# Altium PCB Goldstrike1_Rev01 - DLV.PcbDoc (part 1 of 3) (continued)
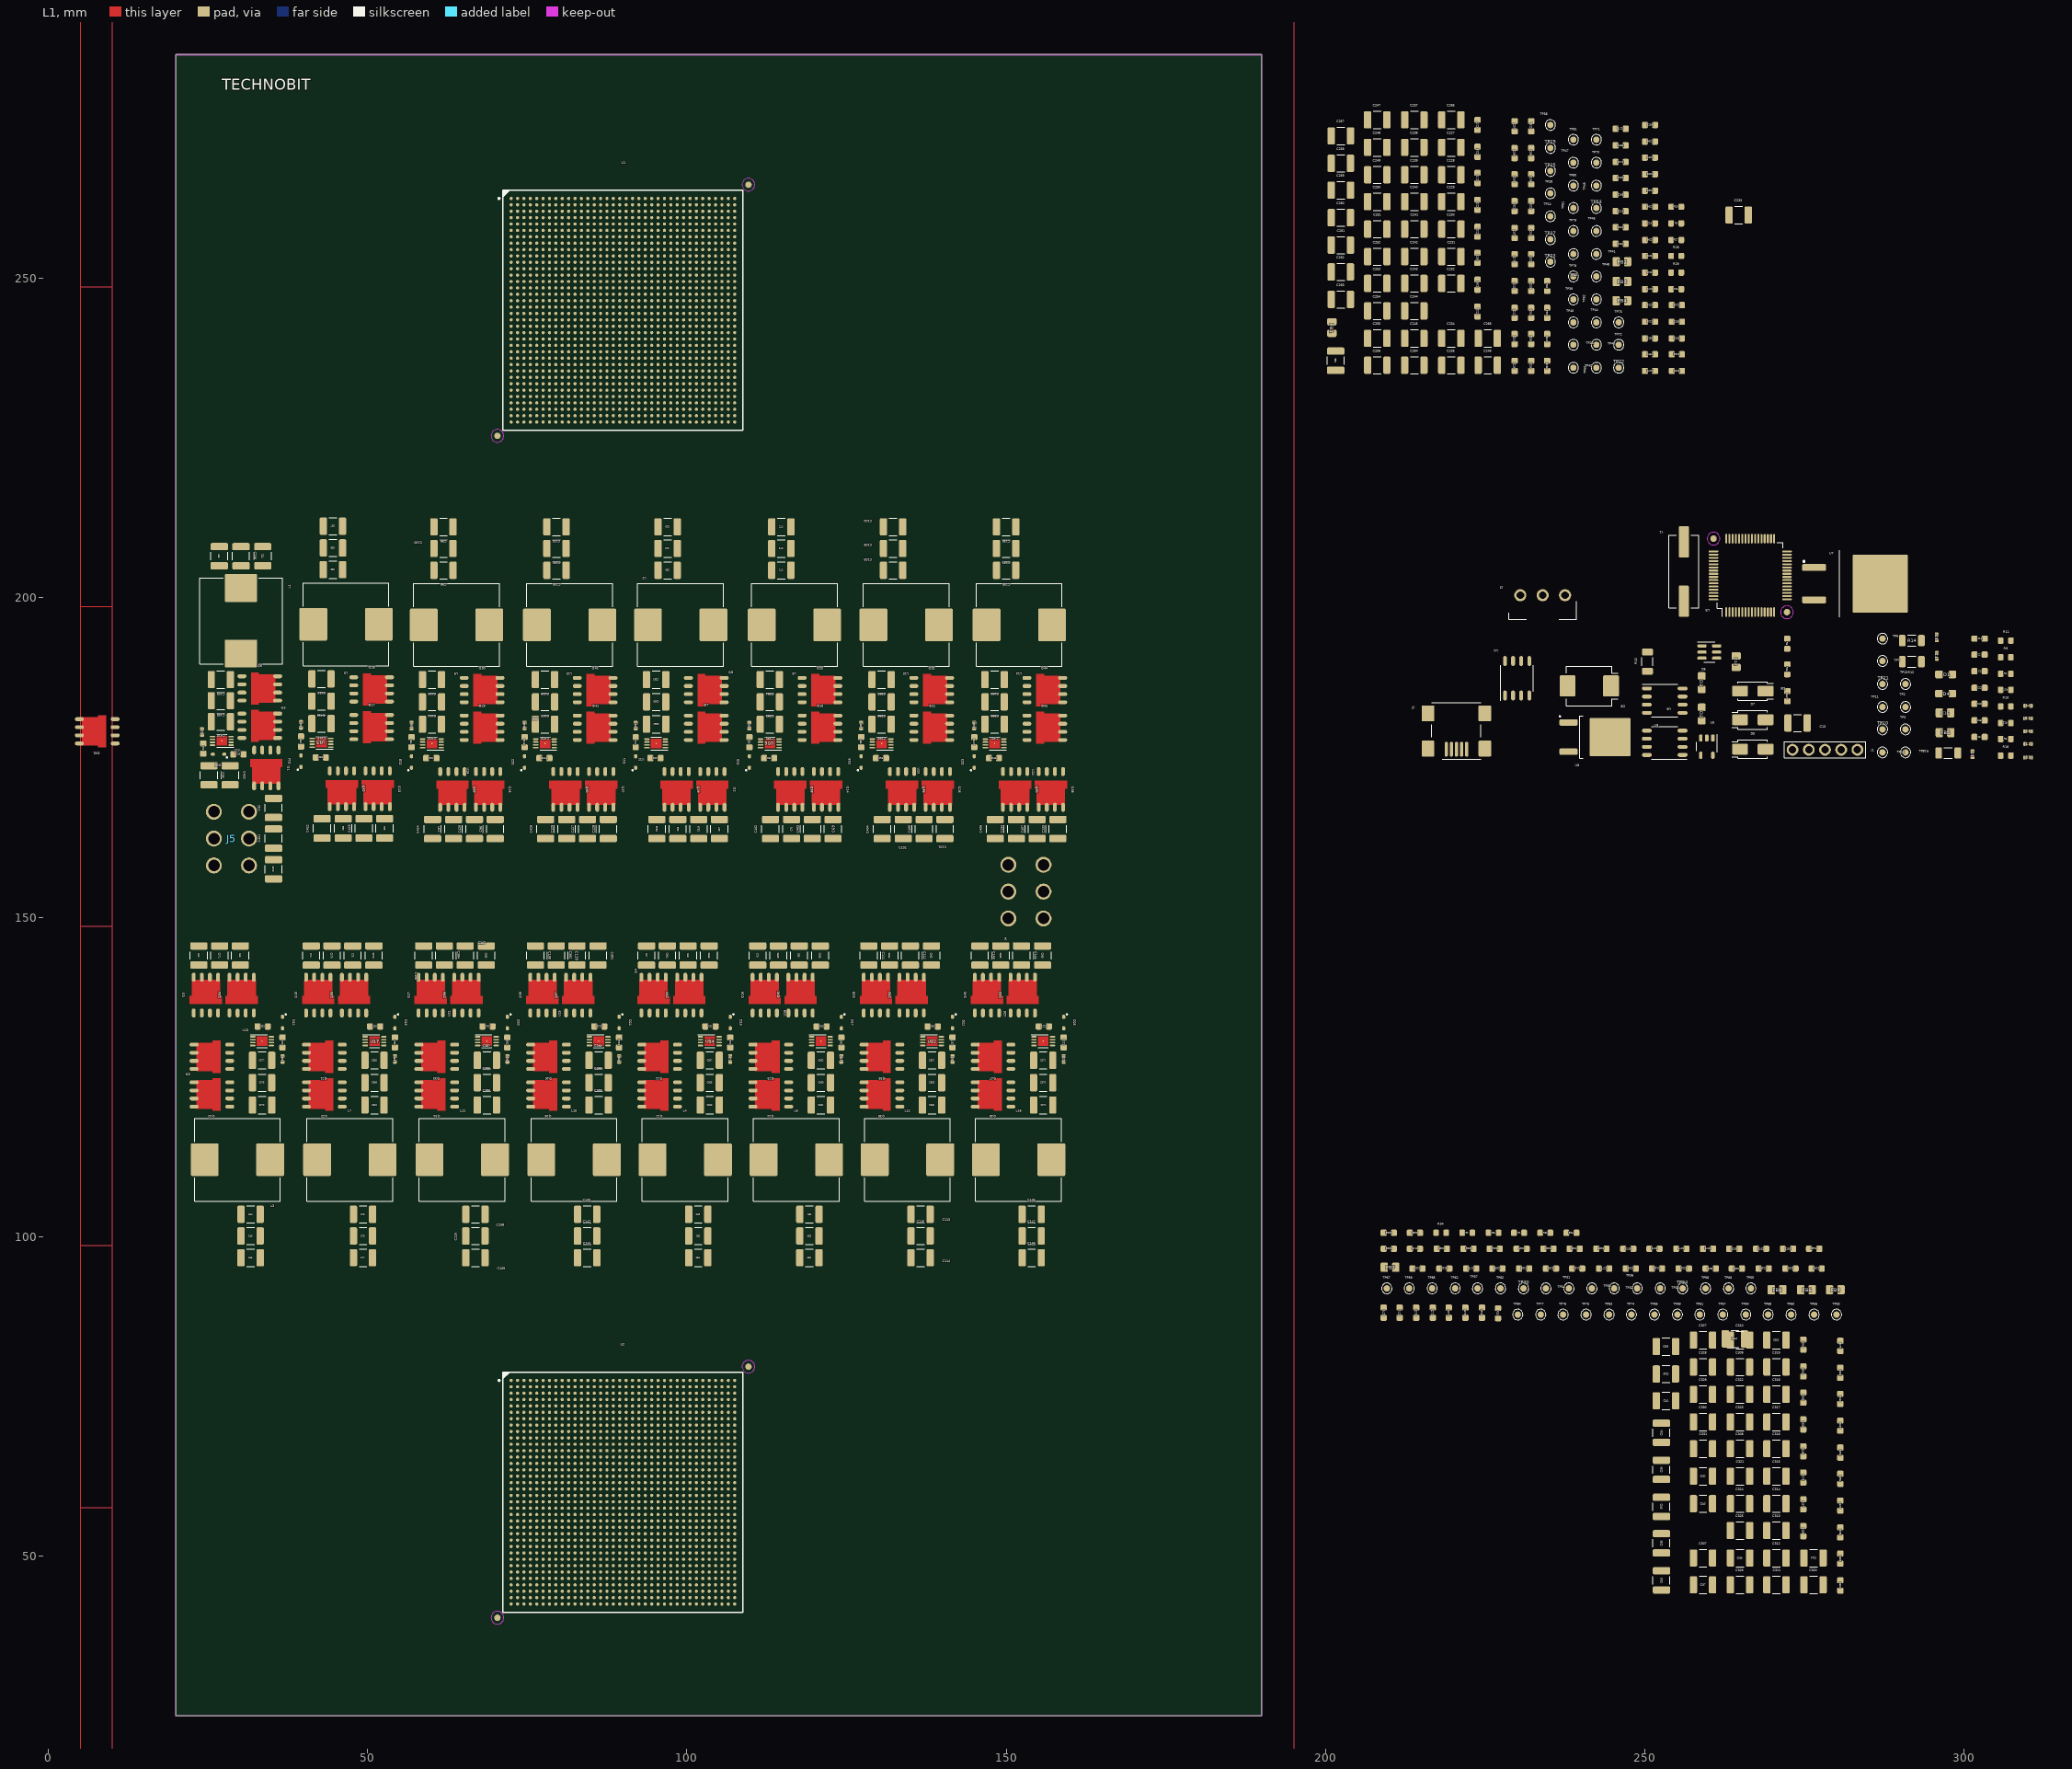
[diagram p0: L1 view]
## Design rules (kind name [scope] priority, off if disabled: settings) (continued)
PolygonConnect "Polygon Connect Style - L3 Rect thru-hole pad from global defaults" [IsPad And OnMultiLayer And ((PadShape_MidLayer2 = 'Rectangular') Or (PadShape_MidLayer2 = 'Octagonal') Or (PadShape_MidLayer2 = 'Rounded Rectangle')) And (PadXSize_MidLayer2 <> PADYSize_MidLayer2) vs Layer = 'L3'] p35: connectstyle=Relief reliefconductorwidth=0.5 reliefentries=4 polygonreliefangle="90 Angle" airgapwidth=0.254
PolygonConnect "Polygon Connect Style - L3 Square-rect thru-hole pad from global defaults" [IsPad And OnMultiLayer And (PadShape_MidLayer2 = 'Rounded Rectangle') And (PadXSize_MidLayer2 = PADYSize_MidLayer2) And (Pad_CornerRadius_MidLayer2 = '0%') vs Layer = 'L3'] p36: connectstyle=Relief reliefconductorwidth=0.5 reliefentries=4 polygonreliefangle="90 Angle" airgapwidth=0.254
PolygonConnect "Polygon Connect Style - L2 Rect thru-hole pad from global defaults" [IsPad And OnMultiLayer And ((PadShape_MidLayer1 = 'Rectangular') Or (PadShape_MidLayer1 = 'Octagonal') Or (PadShape_MidLayer1 = 'Rounded Rectangle')) And (PadXSize_MidLayer1 <> PADYSize_MidLayer1) vs Layer = 'L2'] p37: connectstyle=Relief reliefconductorwidth=0.5 reliefentries=4 polygonreliefangle="90 Angle" airgapwidth=0.254
PolygonConnect "Polygon Connect Style - L2 Square-rect thru-hole pad from global defaults" [IsPad And OnMultiLayer And (PadShape_MidLayer1 = 'Rounded Rectangle') And (PadXSize_MidLayer1 = PADYSize_MidLayer1) And (Pad_CornerRadius_MidLayer1 = '0%') vs Layer = 'L2'] p38: connectstyle=Relief reliefconductorwidth=0.5 reliefentries=4 polygonreliefangle="90 Angle" airgapwidth=0.254
PolygonConnect "Polygon Connect Style - L1 Rect thru-hole pad from global defaults" [IsPad And OnMultiLayer And ((PadShape_TopLayer = 'Rectangular') Or (PadShape_TopLayer = 'Octagonal') Or (PadShape_TopLayer = 'Rounded Rectangle')) And (PadXSize_TopLayer <> PADYSize_TopLayer) vs Layer = 'L1'] p39: connectstyle=Relief reliefconductorwidth=0.5 reliefentries=4 polygonreliefangle="90 Angle" airgapwidth=0.254
PolygonConnect "Polygon Connect Style - L1 Square-rect thru-hole pad from global defaults" [IsPad And OnMultiLayer And (PadShape_TopLayer = 'Rounded Rectangle') And (PadXSize_TopLayer = PADYSize_TopLayer) And (Pad_CornerRadius_TopLayer = '0%') vs Layer = 'L1'] p40: connectstyle=Relief reliefconductorwidth=0.5 reliefentries=4 polygonreliefangle="90 Angle" airgapwidth=0.254
PolygonConnect "Polygon Connect Style - L4 Oval thru-hole pad from global defaults" [IsPad And OnMultiLayer And (PadShape_BottomLayer = 'Round') And (PadXSize_BottomLayer <> PADYSize_BottomLayer) vs Layer = 'L4'] p41: connectstyle=Relief reliefconductorwidth=0.5 reliefentries=4 polygonreliefangle="90 Angle" airgapwidth=0.254
PolygonConnect "Polygon Connect Style - L4 Round-oval thru-hole pad from global defaults" [IsPad And OnMultiLayer And (PadShape_BottomLayer = 'Rounded Rectangle') And (PadXSize_BottomLayer = PADYSize_BottomLayer) And (Pad_CornerRadius_BottomLayer = '100%') vs Layer = 'L4'] p42: connectstyle=Relief reliefconductorwidth=0.5 reliefentries=4 polygonreliefangle="90 Angle" airgapwidth=0.254
PolygonConnect "Polygon Connect Style - L3 Oval thru-hole pad from global defaults" [IsPad And OnMultiLayer And (PadShape_MidLayer2 = 'Round') And (PadXSize_MidLayer2 <> PADYSize_MidLayer2) vs Layer = 'L3'] p43: connectstyle=Relief reliefconductorwidth=0.5 reliefentries=4 polygonreliefangle="90 Angle" airgapwidth=0.254
PolygonConnect "Polygon Connect Style - L3 Round-oval thru-hole pad from global defaults" [IsPad And OnMultiLayer And (PadShape_MidLayer2 = 'Rounded Rectangle') And (PadXSize_MidLayer2 = PADYSize_MidLayer2) And (Pad_CornerRadius_MidLayer2 = '100%') vs Layer = 'L3'] p44: connectstyle=Relief reliefconductorwidth=0.5 reliefentries=4 polygonreliefangle="90 Angle" airgapwidth=0.254
PolygonConnect "Polygon Connect Style - L2 Oval thru-hole pad from global defaults" [IsPad And OnMultiLayer And (PadShape_MidLayer1 = 'Round') And (PadXSize_MidLayer1 <> PADYSize_MidLayer1) vs Layer = 'L2'] p45: connectstyle=Relief reliefconductorwidth=0.5 reliefentries=4 polygonreliefangle="90 Angle" airgapwidth=0.254
PolygonConnect "Polygon Connect Style - L2 Round-oval thru-hole pad from global defaults" [IsPad And OnMultiLayer And (PadShape_MidLayer1 = 'Rounded Rectangle') And (PadXSize_MidLayer1 = PADYSize_MidLayer1) And (Pad_CornerRadius_MidLayer1 = '100%') vs Layer = 'L2'] p46: connectstyle=Relief reliefconductorwidth=0.5 reliefentries=4 polygonreliefangle="90 Angle" airgapwidth=0.254
PolygonConnect "Polygon Connect Style - L1 Oval thru-hole pad from global defaults" [IsPad And OnMultiLayer And (PadShape_TopLayer = 'Round') And (PadXSize_TopLayer <> PADYSize_TopLayer) vs Layer = 'L1'] p47: connectstyle=Relief reliefconductorwidth=0.5 reliefentries=4 polygonreliefangle="90 Angle" airgapwidth=0.254
PolygonConnect "Polygon Connect Style - L1 Round-oval thru-hole pad from global defaults" [IsPad And OnMultiLayer And (PadShape_TopLayer = 'Rounded Rectangle') And (PadXSize_TopLayer = PADYSize_TopLayer) And (Pad_CornerRadius_TopLayer = '100%') vs Layer = 'L1'] p48: connectstyle=Relief reliefconductorwidth=0.5 reliefentries=4 polygonreliefangle="90 Angle" airgapwidth=0.254
PolygonConnect [All] p49: connectstyle=Relief reliefconductorwidth=0.254 reliefentries=4 polygonreliefangle="90 Angle" airgapwidth=0.254
RoutingLayers "'Default' PADS rule_3" [All] p1: top layer_v5=TRUE mid layer 1_v5=TRUE mid layer 2_v5=TRUE bottom layer_v5=TRUE
RoutingPriority "'Default' PADS rule_2" [All] p1: routingpriority=3
RoutingTopology "'Default' PADS rule" [All] p1: topology=Shortest
RoutingVias "'Default' PADS rule_4" [All] p1: holewidth=0.3 width=0.6 viastyle="Through Hole" minholewidth=0.3 minwidth=0.6 maxholewidth=0.3 maxwidth=0.6
SMDToCorner "'All on Layer' PADS rule_33" [OnLayer('L1') vs OnLayer('L1')] p1: distance=39370
SMDToCorner "'Default' PADS rule_17" [All] p2: distance=39370
SMDToPlane "'All on Layer' PADS rule_34" [OnLayer('L1') vs OnLayer('L1')] p1: distance=39370
SMDToPlane "'Default' PADS rule_18" [All] p2: distance=39370
SolderMaskExpansion [All] p1: expansion=0.102
StubLength "'Default' PADS rule_6" [All] p1: limit=25.4
Width "'All on Layer' PADS rule" [OnLayer('L1') vs OnLayer('L1')] p1: maxlimit=3 minlimit=0.2 preferedwidth=0.2
Width "'Default' PADS rule_14" [All] p2: maxlimit=3 minlimit=0.2 preferedwidth=0.3
23 further rules are at their usual default settings.

## Components (designator, comment, footprint, x,y, rotation, side; value= is the part's Value field where it differs from the comment)
C1 "C" SMD_0603_CAPC1608X95N 302.4,188.5 r0 top
C2 "C" SMD_0603_CAPC1608X95N 302.4,191.1 r0 top
C3 "C" SMD_0603_CAPC1608X95N 302.4,178.2 r0 top
C4 "C" SMD_0402_CAPC1005X55N 295.7,190.9 r270 top
C5 "C" SMD_0402_CAPC1005X55N 301.3,175.5 r270 top
C6 "C" SMD_0402_CAPC1005X55N 295.7,193.8 r270 top
C7 "C" SMD_0402_CAPC1005X55N 310,177.1 r180 top
C8 "C" SMD_0402_CAPC1005X55N 310,175 r180 top
C9 "C" SMD_0402_CAPC1005X55N 310,181.1 r180 top
C10 "C" SMD_0603_CAPC1608X95N 302.4,183.4 r0 top
C11 "C" SMD_0603_CAPC1608X95N 302.4,193.6 r0 top
C12 "C" SMD_0603_CAPC1608X95N 302.4,185.9 r0 top
C13 "C" SMD_1210_CAPC3225X279N 273.9,180.4 r0 top
C14 "C" SMD_0805_CAPC2012X145N 264.3,190 r270 top
C15 "C" SMD_0603_CAPC1608X95N 302.4,180.8 r0 top
C16 "C" SMD_0805_CAPC2012X145N 297,182 r0 top
C17 "C" SMD_0402_CAPC1005X55N 310,183.1 r0 top
C18 "C" SMD_0402_CAPC1005X55N 310,179.1 r0 top
C19 "C" SMD_0603_CAPC1608X95N 250.8,258.6 r0 top
C20 "C" SMD_0603_CAPC1608X95N 24.3,176.4 r270 top
C21 "C" SMD_0603_CAPC1608X95N 92,177.4 r270 top
C22 "C" SMD_0603_CAPC1608X95N 36.7,130.4 r90 top
C23 "C" SMD_0603_CAPC1608X95N 106.8,130.4 r90 top
C24 "C" SMD_0402_CAPC1005X55N 24.1,179 r90 top
C25 "C" SMD_0402_CAPC1005X55N 92,180 r90 top
C26 "C" SMD_0402_CAPC1005X55N 36.7,127.8 r270 top
C27 "C" SMD_0402_CAPC1005X55N 106.8,127.8 r270 top
C28 "C" SMD_0603_CAPC1608X95N 29.8,175.5 r0 top
C29 "C" SMD_0603_CAPC1608X95N 95.1,174.9 r0 top
C30 "C" SMD_0603_CAPC1608X95N 33.6,132.9 r180 top
C31 "C" SMD_0603_CAPC1608X95N 103.7,132.9 r180 top
C32 "C" SMD_1210_CAPC3225X270N 35.3,167.1 r90 top
C33 "C" SMD_1210_CAPC3225X270N 25.2,172.215 r270 top
C34 "C" SMD_1210_CAPC3225X279N 33.6,206.5 r270 top
C35 "C" SMD_1210_CAPC3225X279N 26.8,206.5 r270 top
C36 "C" SMD_1210_CAPC3225X279N 201.6,237.1 r90 top
C37 "C" SMD_1210_CAPC3225X270N 105.1,163.8 r90 top
C38 "C" SMD_1210_CAPC3225X270N 98.6,163.8 r90 top
C39 "C" SMD_1210_CAPC3225X279N 97,204.3 r180 top
C40 "C" SMD_1210_CAPC3225X279N 97,211.1 r180 top
C41 "C" SMD_1210_CAPC3225X279N 97,207.7 r180 top
C42 "C" SMD_1210_CAPC3225X270N 23.6,144 r270 top
C43 "C" SMD_1210_CAPC3225X270N 30.1,144 r270 top
C44 "C" SMD_1210_CAPC3225X279N 31.7,103.5 r0 top
C45 "C" SMD_1210_CAPC3225X279N 31.7,96.7 r0 top
C46 "C" SMD_1210_CAPC3225X279N 31.7,100.1 r0 top
C47 "C" SMD_1210_CAPC3225X270N 93.7,144 r270 top
C48 "C" SMD_1210_CAPC3225X270N 100.2,144 r270 top
C49 "C" SMD_1210_CAPC3225X279N 101.8,103.5 r0 top
C50 "C" SMD_1210_CAPC3225X279N 101.8,96.7 r0 top
C51 "C" SMD_1210_CAPC3225X279N 101.8,100.1 r0 top
C52 "C" SMD_0603_CAPC1608X95N 39.6,177.5 r270 top
C53 "C" SMD_0603_CAPC1608X95N 109.8,177.4 r270 top
C54 "C" SMD_0603_CAPC1608X95N 54.3,130.4 r90 top
C55 "C" SMD_0603_CAPC1608X95N 124.2,130.4 r90 top
C56 "C" SMD_0402_CAPC1005X55N 39.6,180.1 r90 top
C57 "C" SMD_0402_CAPC1005X55N 109.8,180 r90 top
C58 "C" SMD_0402_CAPC1005X55N 54.3,127.8 r270 top
C59 "C" SMD_0402_CAPC1005X55N 124.2,127.8 r270 top
C60 "C" SMD_0603_CAPC1608X95N 42.7,175 r0 top
C61 "C" SMD_0603_CAPC1608X95N 112.9,174.9 r0 top
C62 "C" SMD_0603_CAPC1608X95N 51.2,132.9 r180 top
C63 "C" SMD_0603_CAPC1608X95N 121.1,132.9 r180 top
C64 "C" SMD_1210_CAPC3225X270N 52.7,163.9 r90 top
C65 "C" SMD_1210_CAPC3225X270N 46.2,163.9 r90 top
C66 "C" SMD_1210_CAPC3225X279N 44.6,204.4 r180 top
C67 "C" SMD_1210_CAPC3225X279N 44.6,211.2 r180 top
C68 "C" SMD_1210_CAPC3225X279N 44.6,207.8 r180 top
C69 "C" SMD_1210_CAPC3225X270N 122.9,163.8 r90 top
C70 "C" SMD_1210_CAPC3225X270N 116.4,163.8 r90 top
C71 "C" SMD_1210_CAPC3225X279N 114.8,204.3 r180 top
C72 "C" SMD_1210_CAPC3225X279N 114.8,211.1 r180 top
C73 "C" SMD_1210_CAPC3225X279N 114.8,207.7 r180 top
C74 "C" SMD_1210_CAPC3225X270N 41.2,144 r270 top
C75 "C" SMD_1210_CAPC3225X270N 47.7,144 r270 top
C76 "C" SMD_1210_CAPC3225X279N 49.3,103.5 r0 top
C77 "C" SMD_1210_CAPC3225X279N 49.3,96.7 r0 top
C78 "C" SMD_1210_CAPC3225X279N 49.3,100.1 r0 top
C79 "C" SMD_1210_CAPC3225X270N 111.1,144 r270 top
C80 "C" SMD_1210_CAPC3225X270N 117.6,144 r270 top
C81 "C" SMD_1210_CAPC3225X279N 119.2,103.5 r0 top
C82 "C" SMD_1210_CAPC3225X279N 119.2,96.7 r0 top
C83 "C" SMD_1210_CAPC3225X279N 119.2,100.1 r0 top
C84 "C" SMD_0603_CAPC1608X95N 56.9,177.4 r270 top
C85 "C" SMD_0603_CAPC1608X95N 127.3,177.4 r270 top
C86 "C" SMD_0603_CAPC1608X95N 71.9,130.4 r90 top
C87 "C" SMD_0603_CAPC1608X95N 141.6,130.4 r90 top
C88 "C" SMD_0402_CAPC1005X55N 56.9,180 r90 top
C89 "C" SMD_0402_CAPC1005X55N 127.3,180 r90 top
C90 "C" SMD_0402_CAPC1005X55N 71.9,127.8 r270 top
C91 "C" SMD_0402_CAPC1005X55N 141.6,127.8 r270 top
C92 "C" SMD_0603_CAPC1608X95N 60,174.9 r0 top
C93 "C" SMD_0603_CAPC1608X95N 130.4,174.9 r0 top
C94 "C" SMD_0603_CAPC1608X95N 68.8,132.9 r180 top
C95 "C" SMD_0603_CAPC1608X95N 138.5,132.9 r180 top
C96 "C" SMD_1210_CAPC3225X270N 70,163.8 r90 top
C97 "C" SMD_1210_CAPC3225X270N 63.5,163.8 r90 top
C98 "C" SMD_1210_CAPC3225X279N 61.9,204.3 r180 top
C99 "C" SMD_1210_CAPC3225X279N 61.9,211.1 r180 top
C100 "C" SMD_1210_CAPC3225X279N 61.9,207.7 r180 top
C101 "C" SMD_1210_CAPC3225X270N 140.4,163.8 r90 top
C102 "C" SMD_1210_CAPC3225X270N 133.9,163.8 r90 top
C103 "C" SMD_1210_CAPC3225X279N 132.3,204.3 r180 top
C104 "C" SMD_1210_CAPC3225X279N 132.3,211.1 r180 top
C105 "C" SMD_1210_CAPC3225X279N 132.3,207.7 r180 top
C106 "C" SMD_1210_CAPC3225X270N 58.8,144 r270 top
C107 "C" SMD_1210_CAPC3225X270N 65.3,144 r270 top
C108 "C" SMD_1210_CAPC3225X279N 66.9,103.5 r0 top
C109 "C" SMD_1210_CAPC3225X279N 66.9,96.7 r0 top
C110 "C" SMD_1210_CAPC3225X279N 66.9,100.1 r0 top
C111 "C" SMD_1210_CAPC3225X270N 128.5,144 r270 top
C112 "C" SMD_1210_CAPC3225X270N 135,144 r270 top
C113 "C" SMD_1210_CAPC3225X279N 136.6,103.5 r0 top
C114 "C" SMD_1210_CAPC3225X279N 136.6,96.7 r0 top
C115 "C" SMD_1210_CAPC3225X279N 136.6,100.1 r0 top
C116 "C" SMD_0603_CAPC1608X95N 74.6,177.4 r270 top
C117 "C" SMD_0603_CAPC1608X95N 145,177.4 r270 top
C118 "C" SMD_0603_CAPC1608X95N 89.4,130.4 r90 top
C119 "C" SMD_0603_CAPC1608X95N 159,130.4 r90 top
C120 "C" SMD_0402_CAPC1005X55N 74.6,180 r90 top
C121 "C" SMD_0402_CAPC1005X55N 145,180 r90 top
C122 "C" SMD_0402_CAPC1005X55N 89.4,127.8 r270 top
C123 "C" SMD_0402_CAPC1005X55N 159,127.8 r270 top
C124 "C" SMD_0603_CAPC1608X95N 77.7,174.9 r0 top
C125 "C" SMD_0603_CAPC1608X95N 148.1,174.9 r0 top
C126 "C" SMD_0603_CAPC1608X95N 86.3,132.9 r180 top
C127 "C" SMD_0603_CAPC1608X95N 155.9,132.9 r180 top
C128 "C" SMD_1210_CAPC3225X270N 87.7,163.8 r90 top
C129 "C" SMD_1210_CAPC3225X270N 81.2,163.8 r90 top
C130 "C" SMD_1210_CAPC3225X279N 79.6,204.3 r180 top
C131 "C" SMD_1210_CAPC3225X279N 79.6,211.1 r180 top
C132 "C" SMD_1210_CAPC3225X279N 79.6,207.7 r180 top
C133 "C" SMD_1210_CAPC3225X270N 158.1,163.8 r90 top
C134 "C" SMD_1210_CAPC3225X270N 151.6,163.8 r90 top
C135 "C" SMD_1210_CAPC3225X279N 150,204.3 r180 top
C136 "C" SMD_1210_CAPC3225X279N 150,211.1 r180 top
C137 "C" SMD_1210_CAPC3225X279N 150,207.7 r180 top
C138 "C" SMD_1210_CAPC3225X270N 76.3,144 r270 top
C139 "C" SMD_1210_CAPC3225X270N 82.8,144 r270 top
C140 "C" SMD_1210_CAPC3225X279N 84.4,103.5 r0 top
C141 "C" SMD_1210_CAPC3225X279N 84.4,96.7 r0 top
C142 "C" SMD_1210_CAPC3225X279N 84.4,100.1 r0 top
C143 "C" SMD_1210_CAPC3225X270N 145.9,144 r270 top
C144 "C" SMD_1210_CAPC3225X270N 152.4,144 r270 top
C145 "C" SMD_1210_CAPC3225X279N 154,103.5 r0 top
C146 "C" SMD_1210_CAPC3225X279N 154,96.7 r0 top
C147 "C" SMD_1210_CAPC3225X279N 154,100.1 r0 top
C148 "C" SMD_0603_CAPC1608X95N 255,245.8 r180 top
C149 "C" SMD_0603_CAPC1608X95N 250.8,243.2 r180 top
C150 "C" SMD_0603_CAPC1608X95N 250.8,240.6 r0 top
C151 "C" SMD_0603_CAPC1608X95N 250.8,238.1 r0 top
C152 "C" SMD_0603_CAPC1608X95N 246.2,255.4 r0 top
C153 "C" SMD_0603_CAPC1608X95N 255,238.1 r180 top
C154 "C" SMD_0603_CAPC1608X95N 234.7,244.6 r90 top
C155 "C" SMD_0603_CAPC1608X95N 255,243.2 r0 top
C156 "C" SMD_0603_CAPC1608X95N 274.8,53.9 r270 top
C157 "C" SMD_0603_CAPC1608X95N 274.8,58.1 r270 top
C158 "C" SMD_0603_CAPC1608X95N 276.5,98.1 r180 top
C159 "C" SMD_0603_CAPC1608X95N 272.4,98.1 r0 top
C160 "C" SMD_0603_CAPC1608X95N 247.4,98.1 r0 top
C161 "C" SMD_0603_CAPC1608X95N 224.5,88.1 r90 top
C162 "C" SMD_0603_CAPC1608X95N 268.2,98.1 r0 top
C163 "C" SMD_0603_CAPC1608X95N 264,98.1 r0 top
C164 "C" SMD_0603_CAPC1608X95N 229.6,261.3 r90 top
C165 "C" SMD_0603_CAPC1608X95N 246.2,270.8 r0 top
C166 "C" SMD_0603_CAPC1608X95N 246.2,263.1 r0 top
C167 "C" SMD_0603_CAPC1608X95N 229.6,257.1 r270 top
C168 "C" SMD_0603_CAPC1608X95N 223.8,249 r90 top
C169 "C" SMD_0603_CAPC1608X95N 223.8,253.2 r270 top
C170 "C" SMD_0603_CAPC1608X95N 229.6,253 r270 top
C171 "C" SMD_0603_CAPC1608X95N 246.2,273.4 r180 top
C172 "C" SMD_0603_CAPC1608X95N 250.8,248.3 r180 top
C173 "C" SMD_0603_CAPC1608X95N 223.8,265.7 r90 top
C174 "C" SMD_0603_CAPC1608X95N 246.2,268.2 r0 top
C175 "C" SMD_0603_CAPC1608X95N 250.8,235.5 r180 top
C176 "C" SMD_0603_CAPC1608X95N 214,98.1 r180 top
C177 "C" SMD_0603_CAPC1608X95N 243.6,95 r180 top
C178 "C" SMD_0603_CAPC1608X95N 274.8,62.3 r270 top
C179 "C" SMD_0603_CAPC1608X95N 222.8,95 r180 top
C180 "C" SMD_0603_CAPC1608X95N 268.6,95 r180 top
C181 "C" SMD_0603_CAPC1608X95N 239.4,95 r180 top
C182 "C" SMD_0603_CAPC1608X95N 280.6,74.6 r270 top
C183 "C" SMD_0603_CAPC1608X95N 218.6,95 r180 top
C184 "C" SMD_0603_CAPC1608X95N 251.9,95 r180 top
C185 "C" SMD_0603_CAPC1608X95N 231.1,95 r180 top
C186 "C" SMD_0603_CAPC1608X95N 274.8,66.4 r270 top
C187 "C" SMD_0603_CAPC1608X95N 214.4,95 r180 top
C188 "C" SMD_0603_CAPC1608X95N 250.8,261.2 r180 top
C189 "C" SMD_0603_CAPC1608X95N 250.8,263.7 r180 top
C190 "C" SMD_0603_CAPC1608X95N 232.2,265.5 r270 top
C191 "C" SMD_0603_CAPC1608X95N 232.2,273.8 r90 top
C192 "C" SMD_0603_CAPC1608X95N 234.7,240.5 r90 top
C193 "C" SMD_0603_CAPC1608X95N 250.8,274 r0 top
C194 "C" SMD_0603_CAPC1608X95N 255,240.6 r0 top
C195 "C" SMD_0603_CAPC1608X95N 250.8,271.4 r180 top
C196 "C" SMD_0603_CAPC1608X95N 234.7,236.3 r270 top
C197 "C" SMD_0603_CAPC1608X95N 250.8,268.9 r180 top
C198 "C" SMD_0603_CAPC1608X95N 232.2,269.6 r270 top
C199 "C" SMD_0603_CAPC1608X95N 250.8,266.3 r180 top
C200 "C" SMD_0603_CAPC1608X95N 250.8,256 r180 top
C201 "C" SMD_0603_CAPC1608X95N 232.2,257.1 r270 top
C202 "C" SMD_0603_CAPC1608X95N 232.2,253 r270 top
C203 "C" SMD_0603_CAPC1608X95N 232.2,248.8 r270 top
C204 "C" SMD_0603_CAPC1608X95N 232.2,244.6 r270 top
C205 "C" SMD_0603_CAPC1608X95N 232.2,240.5 r270 top
C206 "C" SMD_0603_CAPC1608X95N 232.2,236.3 r270 top
C207 "C" SMD_0603_CAPC1608X95N 229.6,273.8 r270 top
C208 "C" SMD_0603_CAPC1608X95N 229.6,269.6 r270 top
C209 "C" SMD_0603_CAPC1608X95N 229.6,265.5 r270 top
C210 "C" SMD_0603_CAPC1608X95N 250.8,245.8 r180 top
C211 "C" SMD_0603_CAPC1608X95N 250.8,250.9 r180 top
C212 "C" SMD_0603_CAPC1608X95N 246.2,265.7 r180 top
C213 "C" SMD_0603_CAPC1608X95N 229.6,248.8 r270 top
C214 "C" SMD_0603_CAPC1608X95N 229.6,244.6 r270 top
C215 "C" SMD_0603_CAPC1608X95N 229.6,240.5 r270 top
C216 "C" SMD_0603_CAPC1608X95N 229.6,236.3 r270 top
C217 "C" SMD_0603_CAPC1608X95N 223.8,274 r90 top
C218 "C" SMD_0603_CAPC1608X95N 223.8,269.8 r90 top
C219 "C" SMD_0603_CAPC1608X95N 246.2,260.5 r0 top
C220 "C" SMD_0603_CAPC1608X95N 223.8,261.5 r90 top
C221 "C" SMD_0603_CAPC1608X95N 223.8,257.3 r90 top
C222 "C" SMD_0603_CAPC1608X95N 246.2,258 r0 top
C223 "C" SMD_0603_CAPC1608X95N 255,235.5 r0 top
C224 "C" SMD_0603_CAPC1608X95N 223.8,244.8 r90 top
C225 "C" SMD_0603_CAPC1608X95N 232.2,261.3 r90 top
C226 "C" SMD_0603_CAPC1608X95N 250.8,253.5 r0 top
C227 "C" SMD_1210_CAPC3225X279N 219.7,270.5 r0 top
C228 "C" SMD_1210_CAPC3225X279N 219.7,266.2 r0 top
C229 "C" SMD_1210_CAPC3225X279N 219.7,262 r0 top
C230 "C" SMD_1210_CAPC3225X279N 219.7,257.7 r0 top
C231 "C" SMD_1210_CAPC3225X279N 219.7,253.4 r0 top
C232 "C" SMD_1210_CAPC3225X279N 219.7,249.2 r0 top
C233 "C" SMD_1210_CAPC3225X279N 264.7,259.9 r0 top
C234 "C" SMD_1210_CAPC3225X279N 219.7,240.6 r0 top
C235 "C" SMD_1210_CAPC3225X279N 219.7,236.4 r0 top
C236 "C" SMD_1210_CAPC3225X279N 30.2,206.5 r270 top
C237 "C" SMD_1210_CAPC3225X279N 213.9,274.8 r0 top
C238 "C" SMD_1210_CAPC3225X279N 213.9,270.5 r0 top
C239 "C" SMD_1210_CAPC3225X279N 213.9,266.2 r0 top
C240 "C" SMD_1210_CAPC3225X279N 213.9,262 r0 top
C241 "C" SMD_1210_CAPC3225X279N 213.9,257.7 r0 top
C242 "C" SMD_1210_CAPC3225X279N 213.9,253.4 r0 top
C243 "C" SMD_1210_CAPC3225X279N 213.9,249.2 r0 top
C244 "C" SMD_1210_CAPC3225X279N 213.9,244.9 r0 top
C245 "C" SMD_1210_CAPC3225X279N 213.9,240.6 r0 top
C246 "C" SMD_1210_CAPC3225X279N 225.4,236.4 r0 top
C247 "C" SMD_1210_CAPC3225X279N 208.1,274.8 r0 top
C248 "C" SMD_1210_CAPC3225X279N 208.1,270.5 r0 top
C249 "C" SMD_1210_CAPC3225X279N 208.1,266.2 r0 top
C250 "C" SMD_1210_CAPC3225X279N 208.1,262 r0 top
C251 "C" SMD_1210_CAPC3225X279N 208.1,257.7 r0 top
C252 "C" SMD_1210_CAPC3225X279N 208.1,253.4 r0 top
C253 "C" SMD_1210_CAPC3225X279N 208.1,249.2 r0 top
C254 "C" SMD_1210_CAPC3225X279N 208.1,244.9 r0 top
C255 "C" SMD_1210_CAPC3225X279N 208.1,240.6 r0 top
C256 "C" SMD_1210_CAPC3225X279N 208.1,236.4 r0 top
C257 "C" SMD_1210_CAPC3225X279N 202.4,272.3 r0 top
C258 "C" SMD_1210_CAPC3225X279N 202.4,268 r0 top
C259 "C" SMD_1210_CAPC3225X279N 202.4,263.8 r0 top
C260 "C" SMD_1210_CAPC3225X279N 202.4,259.5 r0 top
C261 "C" SMD_1210_CAPC3225X279N 202.4,255.2 r0 top
C262 "C" SMD_1210_CAPC3225X279N 202.4,251 r0 top
C263 "C" SMD_1210_CAPC3225X279N 202.4,246.7 r0 top
C264 "C" SMD_1210_CAPC3225X279N 213.9,236.4 r0 top
C265 "C" SMD_1210_CAPC3225X279N 219.7,274.8 r0 top
C266 "C" SMD_1210_CAPC3225X279N 225.4,240.6 r0 top
C267 "C" SMD_0603_CAPC1608X95N 230.7,98.1 r180 top
C268 "C" SMD_0603_CAPC1608X95N 209.9,100.6 r180 top
C269 "C" SMD_0603_CAPC1608X95N 214,100.6 r180 top
C270 "C" SMD_0603_CAPC1608X95N 221.9,88.1 r270 top
C271 "C" SMD_0603_CAPC1608X95N 219.3,88.1 r270 top
C272 "C" SMD_0603_CAPC1608X95N 216.8,88.1 r270 top
C273 "C" SMD_0603_CAPC1608X95N 214.2,88.1 r270 top
C274 "C" SMD_0603_CAPC1608X95N 211.6,88.1 r90 top
C275 "C" SMD_0603_CAPC1608X95N 209.1,88.1 r90 top
C276 "C" SMD_0603_CAPC1608X95N 259.9,98.1 r180 top
C277 "C" SMD_0603_CAPC1608X95N 255.7,98.1 r180 top
C278 "C" SMD_0603_CAPC1608X95N 251.5,98.1 r180 top
C279 "C" SMD_0603_CAPC1608X95N 280.6,82.9 r270 top
C280 "C" SMD_0603_CAPC1608X95N 243.2,98.1 r180 top
C281 "C" SMD_0603_CAPC1608X95N 239,98.1 r180 top
C282 "C" SMD_0603_CAPC1608X95N 234.9,98.1 r180 top
C283 "C" SMD_0603_CAPC1608X95N 280.6,78.7 r270 top
C284 "C" SMD_0603_CAPC1608X95N 226.5,98.1 r180 top
C285 "C" SMD_0603_CAPC1608X95N 222.4,98.1 r180 top
C286 "C" SMD_0603_CAPC1608X95N 218.2,98.1 r180 top
C287 "C" SMD_0603_CAPC1608X95N 280.6,70.4 r270 top
C288 "C" SMD_0603_CAPC1608X95N 209.9,98.1 r180 top
C289 "C" SMD_0603_CAPC1608X95N 276.9,95 r180 top
C290 "C" SMD_0603_CAPC1608X95N 272.8,95 r180 top
C291 "C" SMD_0603_CAPC1608X95N 280.6,66.2 r270 top
C292 "C" SMD_0603_CAPC1608X95N 264.4,95 r0 top
C293 "C" SMD_0603_CAPC1608X95N 260.3,95 r0 top
C294 "C" SMD_0603_CAPC1608X95N 256.1,95 r180 top
C295 "C" SMD_0603_CAPC1608X95N 280.6,62.1 r270 top
C296 "C" SMD_0603_CAPC1608X95N 247.8,95 r180 top
C297 "C" SMD_0603_CAPC1608X95N 280.6,57.9 r90 top
C298 "C" SMD_0603_CAPC1608X95N 280.6,53.7 r270 top
C299 "C" SMD_0603_CAPC1608X95N 235.3,95 r180 top
C300 "C" SMD_0603_CAPC1608X95N 280.6,49.6 r270 top
C301 "C" SMD_0603_CAPC1608X95N 226.9,95 r180 top
C302 "C" SMD_0603_CAPC1608X95N 280.6,45.4 r270 top
C303 "C" SMD_0603_CAPC1608X95N 274.8,83.1 r270 top
C304 "C" SMD_0603_CAPC1608X95N 274.8,78.9 r270 top
C305 "C" SMD_0603_CAPC1608X95N 274.8,74.8 r270 top
C306 "C" SMD_0603_CAPC1608X95N 274.8,70.6 r270 top
C307 "C" SMD_1210_CAPC3225X279N 259.1,49.7 r0 top
C308 "C" SMD_1210_CAPC3225X279N 264.9,66.8 r0 top
C309 "C" SMD_1210_CAPC3225X279N 264.9,79.6 r0 top
C310 "C" SMD_1210_CAPC3225X279N 264.9,83.8 r0 top
C311 "C" SMD_1210_CAPC3225X279N 270.6,45.5 r0 top
C312 "C" SMD_1210_CAPC3225X279N 270.6,49.7 r0 top
C313 "C" SMD_1210_CAPC3225X279N 270.6,54 r0 top
C314 "C" SMD_1210_CAPC3225X279N 270.6,58.2 r0 top
C315 "C" SMD_1210_CAPC3225X279N 270.6,62.5 r0 top
C316 "C" SMD_1210_CAPC3225X279N 270.6,66.8 r0 top
C317 "C" SMD_1210_CAPC3225X279N 270.6,71 r0 top
C318 "C" SMD_1210_CAPC3225X279N 270.6,75.3 r0 top
C319 "C" SMD_1210_CAPC3225X279N 270.6,79.6 r0 top
C320 "C" SMD_1210_CAPC3225X279N 276.4,45.5 r0 top
C321 "C" SMD_1210_CAPC3225X279N 264.9,62.5 r0 top
C322 "C" SMD_1210_CAPC3225X279N 264.9,75.3 r0 top
C323 "C" SMD_1210_CAPC3225X279N 264.9,71 r0 top
C324 "C" SMD_1210_CAPC3225X279N 264.9,58.2 r0 top
C325 "C" SMD_1210_CAPC3225X279N 264.9,54 r0 top
C326 "C" SMD_1210_CAPC3225X279N 264.9,45.5 r0 top
C327 "C" SMD_1210_CAPC3225X279N 259.1,83.8 r0 top
C328 "C" SMD_1210_CAPC3225X279N 259.1,79.6 r0 top
C329 "C" SMD_1210_CAPC3225X279N 259.1,75.3 r0 top
C330 "C" SMD_1210_CAPC3225X279N 259.1,71 r0 top
C331 "C" SMD_1210_CAPC3225X279N 259.1,66.8 r0 top
C332 "C" SMD_1210_CAPC3225X279N 259.1,62.5 r0 top
C333 "C" SMD_1210_CAPC3225X279N 270.6,83.8 r0 top
C334 "C" SMD_1210_CAPC3225X279N 252.6,69.3 r90 top
C335 "C" SMD_1210_CAPC3225X279N 252.6,52 r90 top
C336 "C" SMD_1210_CAPC3225X279N 264.9,49.7 r0 top
C337 "C" SMD_1210_CAPC3225X279N 259.1,45.5 r0 top
C338 "C" SMD_1210_CAPC3225X279N 253.3,82.8 r0 top
C339 "C" SMD_1210_CAPC3225X279N 252.6,63.5 r90 top
C340 "C" SMD_1210_CAPC3225X279N 252.6,46.2 r90 top
C341 "C" SMD_1210_CAPC3225X279N 253.3,74.3 r0 top
C342 "C" SMD_1210_CAPC3225X279N 264.1,84 r0 top
C343 "C" SMD_1210_CAPC3225X279N 259.1,58.2 r0 top
C344 "C" SMD_1210_CAPC3225X279N 276.4,49.7 r180 top
C345 "C" SMD_1210_CAPC3225X279N 252.6,57.7 r270 top
C346 "C" SMD_1210_CAPC3225X279N 253.3,78.5 r180 top
C347 "C" SMD_0603_CAPC1608X95N 272.3,184.6 r270 top
C348 "C" SMD_1210_CAPC3225X270N 95.3,163.8 r90 top
C349 "C" SMD_1210_CAPC3225X270N 101.85,163.8 r90 top
C350 "C" SMD_1210_CAPC3225X279N 95.2,183.7 r180 top
C351 "C" SMD_1210_CAPC3225X279N 95.2,187.2 r180 top
C352 "C" SMD_1210_CAPC3225X279N 95.2,180.2 r180 top
C353 "C" SMD_1210_CAPC3225X270N 103.5,144 r270 top
C354 "C" SMD_1210_CAPC3225X270N 96.95,144 r270 top
C355 "C" SMD_1210_CAPC3225X279N 103.6,124.1 r0 top
C356 "C" SMD_1210_CAPC3225X279N 103.6,120.6 r0 top
C357 "C" SMD_1210_CAPC3225X279N 103.6,127.6 r0 top
C358 "C" SMD_1210_CAPC3225X270N 120.9,144 r270 top
C359 "C" SMD_1210_CAPC3225X270N 114.35,144 r270 top
C360 "C" SMD_1210_CAPC3225X279N 121,124.1 r0 top
C361 "C" SMD_1210_CAPC3225X279N 121,120.6 r0 top
C362 "C" SMD_1210_CAPC3225X279N 121,127.6 r0 top
C363 "C" SMD_1210_CAPC3225X270N 138.3,144 r270 top
C364 "C" SMD_1210_CAPC3225X270N 131.75,144 r270 top
C365 "C" SMD_1210_CAPC3225X279N 138.4,124.1 r0 top
C366 "C" SMD_1210_CAPC3225X279N 138.4,120.6 r0 top
C367 "C" SMD_1210_CAPC3225X279N 138.4,127.6 r0 top
C368 "C" SMD_1210_CAPC3225X270N 155.7,144 r270 top
C369 "C" SMD_1210_CAPC3225X270N 149.15,144 r270 top
C370 "C" SMD_1210_CAPC3225X279N 155.8,124.1 r0 top
C371 "C" SMD_1210_CAPC3225X279N 155.8,120.6 r0 top
C372 "C" SMD_1210_CAPC3225X279N 155.8,127.6 r0 top
C373 "C" SMD_1210_CAPC3225X270N 35.3,157.5 r270 top
C374 "C" SMD_1210_CAPC3225X270N 26.85,144 r270 top
C375 "C" SMD_1210_CAPC3225X279N 33.5,124.1 r0 top
C376 "C" SMD_1210_CAPC3225X279N 33.5,120.6 r0 top
C377 "C" SMD_1210_CAPC3225X279N 33.5,127.6 r0 top
C378 "C" SMD_1210_CAPC3225X270N 51,144 r270 top
C379 "C" SMD_1210_CAPC3225X270N 44.45,144 r270 top
C380 "C" SMD_1210_CAPC3225X279N 51.1,124.1 r0 top
C381 "C" SMD_1210_CAPC3225X279N 51.1,120.6 r0 top
C382 "C" SMD_1210_CAPC3225X279N 51.1,127.6 r0 top
C383 "C" SMD_1210_CAPC3225X270N 68.6,144 r270 top
C384 "C" SMD_1210_CAPC3225X270N 62.05,144 r270 top
C385 "C" SMD_1210_CAPC3225X279N 68.7,124.1 r0 top
C386 "C" SMD_1210_CAPC3225X279N 68.7,120.6 r0 top
C387 "C" SMD_1210_CAPC3225X279N 68.7,127.6 r0 top
C388 "C" SMD_1210_CAPC3225X279N 86.2,124.1 r0 top
C389 "C" SMD_1210_CAPC3225X279N 86.2,120.6 r0 top
C390 "C" SMD_1210_CAPC3225X279N 86.2,127.6 r0 top
C391 "C" SMD_1210_CAPC3225X270N 86.1,144 r270 top
C392 "C" SMD_1210_CAPC3225X270N 79.55,144 r270 top
C393 "C" SMD_1210_CAPC3225X279N 113,183.7 r180 top
C394 "C" SMD_1210_CAPC3225X279N 113,187.2 r180 top
C395 "C" SMD_1210_CAPC3225X279N 113,180.2 r180 top
C396 "C" SMD_1210_CAPC3225X279N 130.5,183.7 r180 top
C397 "C" SMD_1210_CAPC3225X279N 130.5,187.2 r180 top
C398 "C" SMD_1210_CAPC3225X279N 130.5,180.2 r180 top
C399 "C" SMD_1210_CAPC3225X279N 148.2,183.7 r180 top
C400 "C" SMD_1210_CAPC3225X279N 148.2,187.2 r180 top
C401 "C" SMD_1210_CAPC3225X279N 148.2,180.2 r180 top
C402 "C" SMD_1210_CAPC3225X270N 113.1,163.8 r90 top
C403 "C" SMD_1210_CAPC3225X270N 119.65,163.8 r90 top
C404 "C" SMD_1210_CAPC3225X270N 130.6,163.8 r90 top
C405 "C" SMD_1210_CAPC3225X270N 137.15,163.8 r90 top
C406 "C" SMD_1210_CAPC3225X270N 148.3,163.8 r90 top
C407 "C" SMD_1210_CAPC3225X270N 154.85,163.8 r90 top
C408 "C" SMD_1210_CAPC3225X279N 27.051,183.896 r180 top
C409 "C" SMD_1210_CAPC3225X279N 27.051,187.198 r180 top
C410 "C" SMD_1210_CAPC3225X279N 27.051,180.594 r180 top
C411 "C" SMD_1210_CAPC3225X279N 42.8,183.8 r180 top
C412 "C" SMD_1210_CAPC3225X279N 42.8,187.3 r180 top
C413 "C" SMD_1210_CAPC3225X279N 42.8,180.3 r180 top
C414 "C" SMD_1210_CAPC3225X279N 60.1,183.7 r180 top
C415 "C" SMD_1210_CAPC3225X279N 60.1,187.2 r180 top
C416 "C" SMD_1210_CAPC3225X279N 60.1,180.2 r180 top
C417 "C" SMD_1210_CAPC3225X279N 77.8,183.7 r180 top
C418 "C" SMD_1210_CAPC3225X279N 77.8,187.2 r180 top
C419 "C" SMD_1210_CAPC3225X279N 77.8,180.2 r180 top
C420 "C" SMD_1210_CAPC3225X270N 28.5,172.215 r270 top
C421 "C" SMD_1210_CAPC3225X270N 35.3,162.3 r90 top
C422 "C" SMD_1210_CAPC3225X270N 42.9,163.9 r90 top
C423 "C" SMD_1210_CAPC3225X270N 49.45,163.9 r90 top
C424 "C" SMD_1210_CAPC3225X270N 60.2,163.8 r90 top
C425 "C" SMD_1210_CAPC3225X270N 66.75,163.8 r90 top
C426 "C" SMD_1210_CAPC3225X270N 77.9,163.8 r90 top
C427 "C" SMD_1210_CAPC3225X270N 84.45,163.8 r90 top
D1 "Red SML210VT ROHM" SMD_0805_LED2012X100N 297.1,188 r0 top
D2 "Green 	SML210MT ROHM" SMD_0805_LED2012X100N 258.9,181.8 r270 top
D3 "Yellow SML210YT ROHM" SMD_0805_LED2012X100N 258.9,186.7 r270 top
D4 "Orange 	SML210DT ROHM" SMD_0805_LED2012X100N 297.1,185 r0 top
D5 "D_STKY" SMD_DO214AC_SMA 266.9,176.3 r0 top
D6 "D_TVS_QUAD_C1A2C3C4A5C6" SMD_SOT457_SOT95P275X110-6N 260.1,191.5 r0 top
D7 "D_STKY" SMD_DO214AC_SMA 266.9,180.9 r0 top
D8 "D_STKY" SMD_DO214AC_SMA 266.9,185.4 r180 top
D9 "D_TVS_UNI" SMD_DO214AC_SMC 241.3,186.2 r180 top
D10 "D" SMD_SOD523_SOD1608X65N 26.7,175.5 r180 top
D11 "D" SMD_SOD523_SOD1608X65N 92,174.3 r90 top
D12 "D" SMD_SOD523_SOD1608X65N 36.7,133.5 r270 top
D13 "D" SMD_SOD523_SOD1608X65N 106.8,133.5 r270 top
D14 "D" SMD_SOD523_SOD1608X65N 39.6,174.4 r90 top
D15 "D" SMD_SOD523_SOD1608X65N 109.8,174.3 r90 top
D16 "D" SMD_SOD523_SOD1608X65N 54.3,133.5 r270 top
D17 "D" SMD_SOD523_SOD1608X65N 124.2,133.5 r270 top
D18 "D" SMD_SOD523_SOD1608X65N 56.9,174.3 r90 top
D19 "D" SMD_SOD523_SOD1608X65N 127.3,174.3 r90 top
D20 "D" SMD_SOD523_SOD1608X65N 71.9,133.5 r270 top
D21 "D" SMD_SOD523_SOD1608X65N 141.6,133.5 r270 top
D22 "D" SMD_SOD523_SOD1608X65N 74.6,174.3 r90 top
D23 "D" SMD_SOD523_SOD1608X65N 145,174.3 r90 top
D24 "D" SMD_SOD523_SOD1608X65N 89.4,133.5 r270 top
D25 "D" SMD_SOD523_SOD1608X65N 159,133.5 r270 top
FB1 "L_FERRITE_BEAD" SMD_0805_INDC2012X105N 201,242.3 r270 top
FB2 "L_FERRITE_BEAD" SMD_0805_INDC2012X105N 246.4,252.6 r0 top
FB3 "L_FERRITE_BEAD" SMD_0805_INDC2012X105N 246.4,249.5 r0 top
FB4 "L_FERRITE_BEAD" SMD_0805_INDC2012X105N 246.4,246.5 r0 top
FB5 "L_FERRITE_BEAD" SMD_0805_INDC2012X105N 297,178.9 r0 top
FB6 "L_FERRITE_BEAD" SMD_0805_INDC2012X105N 275.3,91.7 r0 top
FB7 "L_FERRITE_BEAD" SMD_0805_INDC2012X105N 210.1,95.2 r0 top
FB8 "L_FERRITE_BEAD" SMD_0805_INDC2012X105N 270.7,91.7 r0 top
FB9 "L_FERRITE_BEAD" SMD_0805_INDC2012X105N 279.8,91.7 r0 top
J1 "CON_5PINS" PTH_HDRV05W64P254_1X05 278.2,176.2 r0 top
J2 "CON_USB_MINI_1" SMD_CON-CVILUX-CU04-SCM15B0 220.5,178.9 r180 top
J3 "CON_3PINS" PTH_CON_HD-351-3P 234,200.4 r180 top
J4 "CON_2ROWS_6PINS_1" PTH_CON_WR-MRC4-6P_S 153.1,154 r90 top
J5 "CON_2ROWS_6PINS_1" PTH_CON_WR-MRC4-6P_S 28.7,162.3 r90 top
L1 "SLC1480-201MLD" SMT_INDM135130X800N 30.2,196.4 r90 top
L2 "SLC1480-201MLD" SMT_INDM135130X800N 99.05,195.75 r180 top
L3 "SLC1480-201MLD" SMT_INDM135130X800N 29.65,112.05 r0 top
L4 "SLC1480-201MLD" SMT_INDM135130X800N 99.75,112.05 r0 top
L5 "SLC1480-201MLD" SMT_INDM135130X800N 46.65,195.85 r180 top
L6 "SLC1480-201MLD" SMT_INDM135130X800N 116.85,195.75 r180 top
L7 "SLC1480-201MLD" SMT_INDM135130X800N 47.25,112.05 r0 top
L8 "SLC1480-201MLD" SMT_INDM135130X800N 117.15,112.05 r0 top
L9 "SLC1480-201MLD" SMT_INDM135130X800N 63.95,195.75 r180 top
L10 "SLC1480-201MLD" SMT_INDM135130X800N 134.35,195.75 r180 top
L11 "SLC1480-201MLD" SMT_INDM135130X800N 64.85,112.05 r0 top
L12 "SLC1480-201MLD" SMT_INDM135130X800N 134.55,112.05 r0 top
L13 "SLC1480-201MLD" SMT_INDM135130X800N 81.65,195.75 r180 top
L14 "SLC1480-201MLD" SMT_INDM135130X800N 152.05,195.75 r180 top
L15 "SLC1480-201MLD" SMT_INDM135130X800N 82.35,112.05 r0 top
L16 "SLC1480-201MLD" SMT_INDM135130X800N 151.95,112.05 r0 top
Q1 "MOS_N_D1_S1S2S3G4D5D6D7D8" SMD_SOIC127P600X110-9AN 34.163,173.355 r270 top
Q2 "MOS_N_D1_S1S2S3G4D5D6D7D8" SMD_SOIC127P600X110-9AN 104,170 r270 top
Q3 "MOS_N_D1_S1S2S3G4D5D6D7D8" SMD_SOIC127P600X110-9AN 24.7,137.8 r90 top
Q4 "MOS_N_D1_S1S2S3G4D5D6D7D8" SMD_SOIC127P600X110-9AN 94.8,137.8 r90 top
Q5 "MOS_N_D1_S1S2S3G4D5D6D7D8" SMD_SOIC127P600X110-9AN 33.147,179.959 r0 top
Q6 "MOS_N_D1_S1S2S3G4D5D6D7D8" SMD_SOIC127P600X110-9AN 33.147,185.801 r0 top
Q7 "MOS_N_D1_S1S2S3G4D5D6D7D8" SMD_SOIC127P600X110-9AN 103.05,179.65 r0 top
Q8 "MOS_N_D1_S1S2S3G4D5D6D7D8" SMD_SOIC127P600X110-9AN 103.05,185.55 r0 top
Q9 "MOS_N_D1_S1S2S3G4D5D6D7D8" SMD_SOIC127P600X110-9AN 25.65,128.15 r180 top